# Altium PCB HYDRA_V4_POWER.PcbDoc (part 2 of 2) (continued)
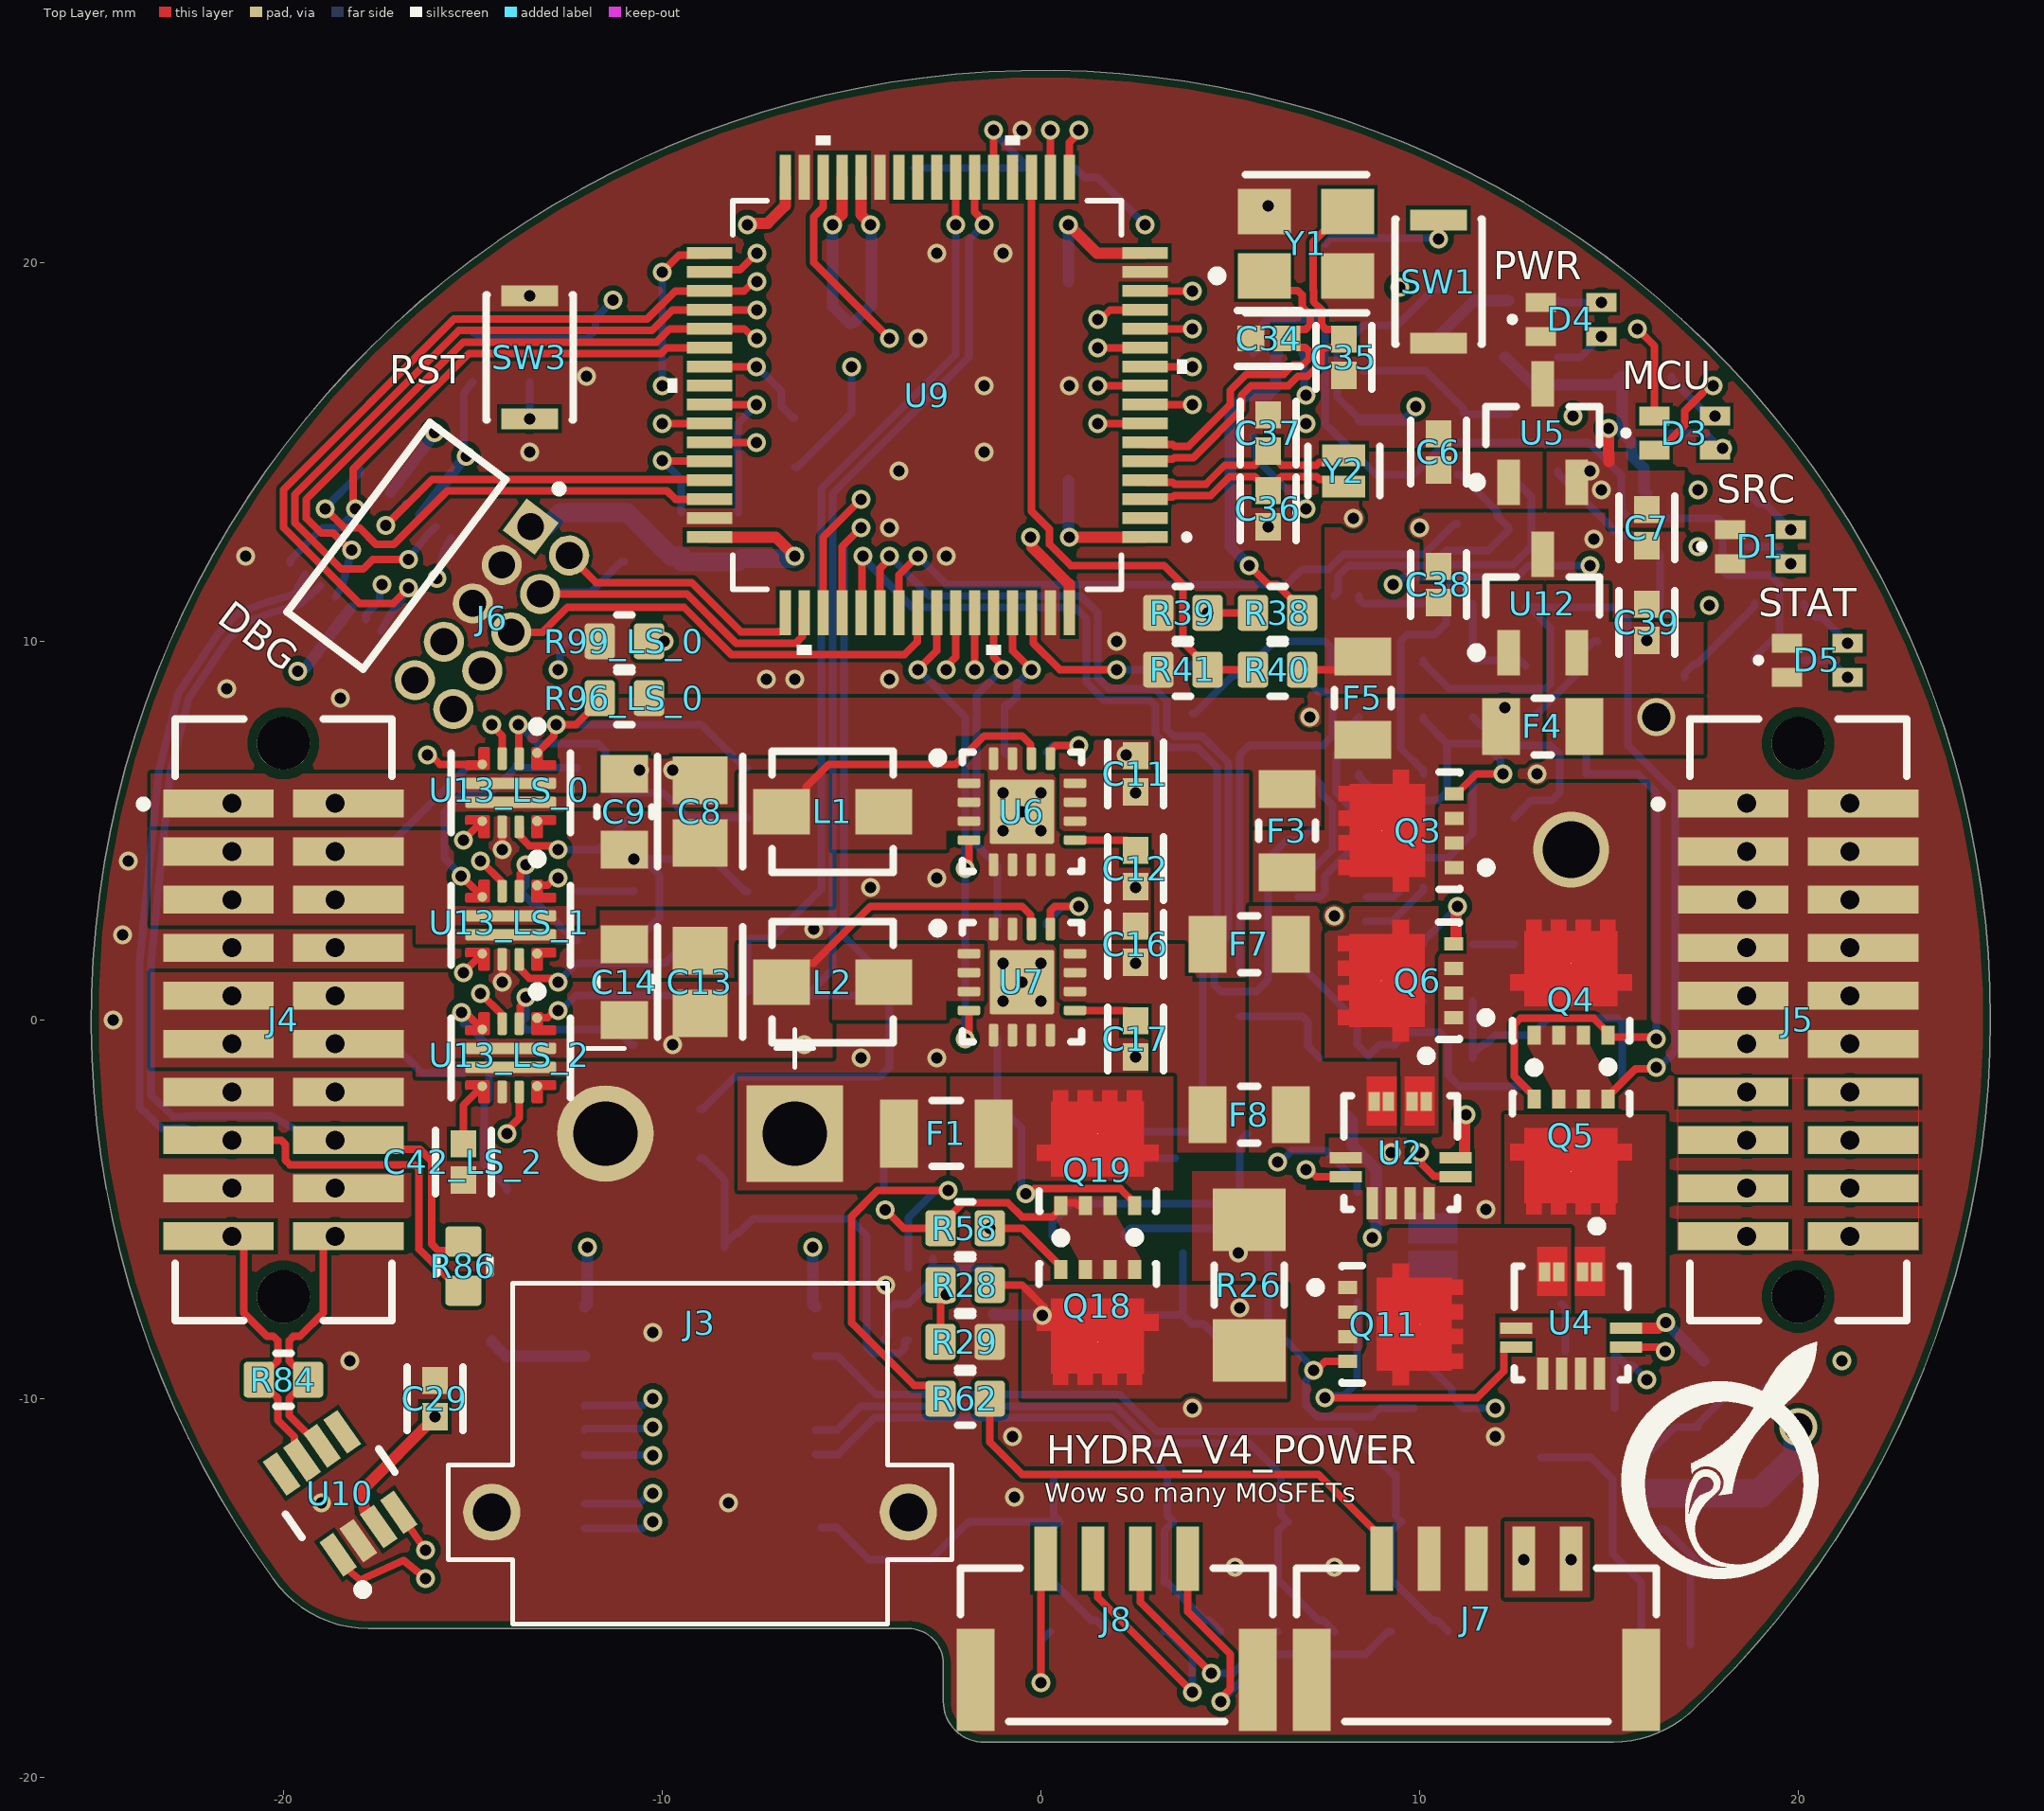
[diagram p0: Top Layer view]
## Nets (pads, with @x,y where several pads share a name; then routed paths per layer and width w, separated by ;. In a path a pad name is that pad's centre, name@x,y a point inside that pad or via, vN(x,y) a via of type N, cw(c..) or ccw(c..) an arc to the next point about the centre after c; other vN are vias at no path point) (continued)
NetQ9_6: Q9.6 R11.2 | length 10.4
  Bottom Layer w0.2: R11.2@5.25,1.4 5.25,7 5.5,7.25 7.452,7.25 7.702,7.5 7.702,8.5 7.525,8.677 7.317,8.677 7.2,8.794 7.2,9.2 Q9.6@7.1,9.3
NetQ10_2: Q10.2 R12.1 R15.2 | length 6.3
  Bottom Layer w0.2: Q10.2@6.8,3.25 7.383,3.25 7.5,3.367 7.5,3.8 8.13,4.43 8.13,4.73 R12.1@8.4,5 8.179,5.221 8.179,5.62 7.798,6 7.798,7.048 8.1,7.35 8.1,7.7 R15.2@8.4,8
NetQ10_3: Q10.3 R18.2 | length 3.4
  Bottom Layer w0.2: Q10.3@6.8,3.9 6.9,4 7.202,4 7.702,4.5 7.702,5.67 7.4,5.972 7.4,6.2 R18.2@7.1,6.5
NetQ10_5: Q10.5 R21.1 R22.2 | length 5.4
  Bottom Layer w0.2: Q10.5@8.597,3.25 9.331,3.25 9.448,3.367 9.448,3.95 9.786,4.287 10.762,4.287 11.4,4.925 R22.2@11.4,5 R21.1@11.4,6.5
NetQ10_6: Q10.6 R9.2 | length 1.9
  Bottom Layer w0.2: Q10.6@8.581,2.6 8.589,2.608 9.283,2.608 10.1,3.425 R9.2@10.1,3.5
NetQ12_1: Q12.1 R33.1 R35.2 | length 3.1
  Bottom Layer w0.2: R33.1@0.5,-3.65 R35.2@2,-3.65 Q12.1@3.55,-3.65
NetQ13_1: Q13.1 R36.1 R37.1 | length 4.4
  Bottom Layer w0.2: R37.1@8.5,17.15 10.15,17.15 11.15,16.15 Q13.1@11.15,16.05 11.2,16 R36.1@12.35,16
NetQ13_3: Q13.3 R34.2 | length 2.3
  Bottom Layer w0.3: Q13.3@10.5,17.95 10.5,18.05 11.45,19 R34.2@12.35,19
NetQ14_1: Q14.1 R75.1 R76.1 | length 5
  Bottom Layer w0.2: R75.1@13.65,14.5 13.65,14.425 15.28,12.795 15.855,12.795 16.35,12.3 Q14.1@16.35,10.95
NetQ14_3: Q14.3 R70.2 | length 2.8
  Bottom Layer w0.2: Q14.3@17,9.05 17,9.15 17.25,9.4 17.325,9.4 18.85,10.925 R70.2@18.85,11
NetQ15_1: Q15.1 R47.1 R49.1 | length 5
  Bottom Layer w0.2: Q15.1@16,-11.5 16.75,-10.75 R49.1@17.35,-10.75 17.35,-10.675 18.128,-9.897 18.953,-9.897 19.475,-9.375 19.55,-9.375 19.85,-9.075 R47.1@19.85,-9
NetQ15_3: Q15.3 R43.1 R46.1 | length 4.4
  Bottom Layer w0.2: Q15.3@15.8,-13.45 15.808,-13.458 16.483,-13.458 17.425,-14.4 R43.1@17.5,-14.4 17.45,-14.4 17.15,-14.7 R46.1@17.15,-16.5
NetQ15_6: Q15.6 R46.2 | length 6.8
  Bottom Layer w0.2: Q15.6@13.2,-11.55 14.52,-11.55 15.098,-12.129 15.098,-14.098 15.85,-14.85 R46.2@15.85,-16.5
NetQ16_2: Q16.2 R56.1 R57.1 | length 11.2
  Bottom Layer w0.2: R56.1@-9,-3.65 -8.925,-3.65 -8.35,-4.225 R57.1@-8.35,-5.925 ; R57.1@-8.35,-6 R57.1@-8.35,-5.925 ; Q16.2@-3.5,-8.45 -3.55,-8.45 -3.6,-8.5 -3.6,-8.668 -3.734,-8.802 -4.434,-8.802 -4.6,-8.635 -4.6,-5.7 -5.05,-5.25 -7.6,-5.25 -7.975,-5.625 -8.05,-5.625 R57.1@-8.35,-5.925
NetQ16_5: Q16.5 R61.2 R62.1 | length 11.6
  Top Layer w0.2: R62.1@-2.65,-10 -2.65,-9.95 -2.95,-9.65 -3.35,-9.65 -5,-8 -5,-5.191 -4.309,-4.5 v1(-2.45,-4.5)
  Bottom Layer w0.2: Q16.5@-3.5,-6.55 -3.5,-5.225 -2.85,-4.575 R61.2@-2.85,-4.5 v1(-2.45,-4.5)
NetR12_2: R12.2 U9.54 | length 26.5
  Top Layer w0.2: U9.54@-4.25,10.75 -4.25,11.919 -4,12.169 v1(-4,12.25)
  Bottom Layer w0.2: v1(-4,12.25) -2.948,11.198 1.052,11.198 1.5,10.75 1.5,9.043 1.793,8.75 3,8.75 3.323,8.427 3.323,7.675 3.5,7.498 4.252,7.498 4.948,6.802 4.948,2.222 4.573,1.847 4.573,0.927 4.75,0.75 5.702,0.75 5.927,0.975 5.927,1 6,1.073 6,4.25 6.5,4.75 6.85,4.75 R12.2@7.1,5
NetR17_2: R17.2 U9.55 | length 16.9
  Top Layer w0.2: U9.55@-3.75,10.75 -3.75,11.75 v1(-3.25,12.25)
  Bottom Layer w0.2: v1(-3.25,12.25) -2.5,11.5 6.5,11.5 6.9,11.9 7.598,11.9 8,12.302 10.127,12.302 10.925,13.1 R17.2@11,13.1
NetR24_1: R24.1 R31.2 U9.21 | length 5.6
  Top Layer w0.2: U9.21@-1.25,22.25 v1(-1.25,23.5)
  Bottom Layer w0.2: R31.2@-3.35,22.5 R24.1@-0.4,22.5 -0.4,22.575 -1.25,23.425 v1(-1.25,23.5)
NetR38_1: R38.1 R39.2 U9.8 | length 8.1
  Top Layer w0.2: U9.8@2.75,16.25 v1(3.998,16.25) ; v1(4.4,10.75) R38.1@5.6,10.75
  PWR+SIG w0.2: v1(3.998,16.25) 3.998,16.181 4.197,15.983 4.197,11.743 4.4,11.54 v1(4.4,10.75)
NetR40_1: R40.1 R41.2 U9.19 | length 17.6
  Top Layer w0.2: U9.19@-0.25,22.25 -0.25,13.436 0.229,12.957 0.229,12.564 0.793,12 3.25,12 3.75,11.5 3.75,9.975 4.4,9.325 R41.2@4.4,9.25 R40.1@5.6,9.25
NetR42_1: R42.1 R45.2 U9.23 | length 24.1
  Top Layer w0.2: v1(-2.25,21) U9.23@-2.25,22.25
  Bottom Layer w0.2: R45.2@-7.75,0.75 R42.1@-7.75,2.1 -7.692,2.158 -7.092,2.158 -5.802,3.448 -5.802,14.025 -2.25,17.577 v1(-2.25,21)
NetR47_2: R47.2 U9.51 | length 53.3
  Top Layer w0.2: U9.51@-5.75,10.75 -5.75,12.75 v1(-4.75,13.75)
  GND+SIG w0.2: v1(-4.75,13.75) -5.25,13.25 -5.25,9.5 -4.25,8.5 1.957,8.5 2.354,8.896 11.16,8.896 11.581,8.475 11.581,3.986 13.017,2.55 21.965,2.55 22.5,2.015 22.5,-7.65 v1(21.15,-9)
NetR48_1: R48.1 R51.2 U9.22 | length 25.2
  Top Layer w0.2: U9.22@-1.75,22.25 -1.75,21.331 -1.5,21.081 v1(-1.5,21)
  Bottom Layer w0.2: R51.2@-4.75,0.65 R48.1@-6.25,0.65 -6.175,0.65 -5.5,1.325 -5.5,13.9 -1.9,17.5 -1.9,20.6 v1(-1.5,21)
NetR52_1: R52.1 U6.13 | length 1.9
  Top Layer w0.2: U6.13@0.25,6.9 0.275,6.925 0.275,7.133 0.392,7.25 v1(1,7.25)
  Bottom Layer w0.2: R52.1@0.15,7.075 0.325,7.25 v1(1,7.25)
NetR53_1: R53.1 U7.13 | length 2.4
  Top Layer w0.2: U7.13@0.25,2.4 0.25,2.883 0.367,3 v1(1,3)
  Bottom Layer w0.2: R53.1@0.15,2.5 0.15,2.575 0.575,3 v1(1,3)
NetR54_1: R54.1 R55.2 U9.10 | length 37.2
  Top Layer w0.2: U9.10@2.75,17.25 v1(3.998,17.25)
  PWR+SIG w0.2: v1(3.998,17.25) 3.498,16.75 3.498,16.028 3.895,15.631 3.895,6.591 3.905,6.582 3.905,0.695 13.66,-9.06 15.56,-9.06 v1(16,-9.5)
  Bottom Layer w0.2: R55.2@15.15,-10.25 R54.1@15.15,-8.75 15.15,-8.82 15.45,-9.12 15.62,-9.12 v1(16,-9.5)
NetR69_2: R69.2 U8.4 | length 23.2
  Bottom Layer w0.2: U8.4@5.6,17.6 5.7,17.7 5.7,18.2 6,18.5 7.25,18.5 7.5,18.25 7.5,16.646 7.517,16.629 7.517,15.732 8.848,14.4 9.85,14.4 10.7,15.25 14.465,15.25 15.323,14.392 15.323,13.475 15.548,13.25 17.883,13.25 18,13.133 18,11.867 18.117,11.75 19.25,11.75 19.5,11.5 19.5,10.225 18.85,9.575 R69.2@18.85,9.5
NetR89_2: R89.2 U11.9 | length 35.7
  GND+SIG w0.2: v1(-17.4,11.5) -17.4,12.241 -16.7,12.941 -16.7,15.7 -16.2,16.2 -15.527,16.2 -9.827,21.9 -9.427,22.3 2.3,22.3 5,19.6 9.205,19.6 9.455,19.35 v1(9.472,19.35)
  Bottom Layer w0.2: U11.9@-17.828,10.568 -17.828,10.697 -17.457,11.068 -17.457,11.443 v1(-17.4,11.5)
NetR93_2: R93.2 SW3.1 | length 1
  Bottom Layer w0.2: v1(-13.5,15.875) R93.2@-13.5,16.85
NetR96_LS_0_1: R96_LS_0.1 R98_LS_0.2 U13_LS_0.1 | length 8.1
  Top Layer w0.2: U13_LS_0.1@-13.3,7.05 -12.857,7.493 -12.857,7.743 v1(-12.8,7.8) -12.275,7.8 -11.585,8.49 R96_LS_0.1@-11.585,8.565
  Bottom Layer w0.2: v1(-12.8,7.8) -8.975,7.8 -7.825,6.65 R98_LS_0.2@-7.75,6.65
NetR96_LS_1_1: R96_LS_1.1 R98_LS_1.2 U13_LS_1.1 | length 2.1
  Top Layer w0.2: U13_LS_1.1@-13.3,3.55 -13.287,3.563 -13.018,3.563 -12.831,3.75 v1(-12.75,3.75)
  Bottom Layer w0.2: R98_LS_1.2@-12.25,3.4 R96_LS_1.1@-10.75,3.4
NetR96_LS_2_1: R96_LS_2.1 R98_LS_2.2 U13_LS_2.1 | length 4.3
  Top Layer w0.2: U13_LS_2.1@-13.3,0.05 -13.287,0.063 -13.018,0.063 -12.831,0.25 v1(-12.75,0.25)
  Bottom Layer w0.2: v1(-12.75,0.25) -12.669,0.25 -12.269,0.65 R96_LS_2.1@-9.25,0.65
NetR97_LS_0_1: R97_LS_0.1 R99_LS_0.2 U13_LS_0.4 | length 9.1
  Top Layer w0.2: v1(-16.2,7) -16.119,7 -15.869,6.75 U13_LS_0.4@-14.75,6.75
  PWR+SIG w0.2: v1(-16.2,7) -12.893,7 -10.407,9.485 -10.407,9.538 -9.95,9.996 v1(-9.95,10)
NetR97_LS_1_1: R97_LS_1.1 R99_LS_1.2 U13_LS_1.4 | length 6.7
  Top Layer w0.2: v1(-15.308,3.794) -15.308,3.719 -15.247,3.659 -15.159,3.659 U13_LS_1.4@-14.75,3.25
  Bottom Layer w0.2: v1(-15.308,3.794) -15.308,3.828 -15.75,4.271 -15.75,5.5 -15.25,6 -14.525,6 R97_LS_1.1@-13.85,6.675 ; R97_LS_1.1@-13.85,6.75 -13.762,6.662 -12.263,6.662 R99_LS_1.2@-12.25,6.65
NetR97_LS_2_1: R97_LS_2.1 R99_LS_2.2 U13_LS_2.4 | length 5.8
  Top Layer w0.2: v1(-15.3,0.2) -15.208,0.108 -15.108,0.108 U13_LS_2.4@-14.75,-0.25
  Bottom Layer w0.2: R97_LS_2.1@-15.25,-0.1 -15.175,-0.1 -14.573,-0.702 -14.573,-2.085 -14.702,-2.213 -14.702,-3.823 -14.1,-4.425 R99_LS_2.2@-14.1,-4.5
NetR98_LS_0_1: R98_LS_0.1 R100_LS_0.2 U13_LS_0.2 | length 8.5
  Top Layer w0.2: v1(-13.8,7.8) -13.787,7.787 -13.787,6.913 U13_LS_0.2@-13.775,6.9
  Bottom Layer w0.2: v1(-13.8,7.8) -13.427,7.427 -13.425,7.427 -13.298,7.3 -11.7,7.3 -11.5,7.1 -11.5,6.2 -11.3,6 -9.975,6 -9.325,5.35 R100_LS_0.2@-9.25,5.35 R98_LS_0.1@-7.75,5.35
NetR98_LS_1_1: R98_LS_1.1 R100_LS_1.2 U13_LS_1.2 | length 3.6
  Top Layer w0.2: U13_LS_1.2@-13.775,3.4 -13.75,3.425 -13.75,3.859 -13.6,4.009 v1(-13.6,4.09)
  Bottom Layer w0.2: v1(-13.6,4.09) -13.6,3.55 R100_LS_1.2@-13.75,3.4 -13.45,3.1 -13.325,3.1 -12.325,2.1 R98_LS_1.1@-12.25,2.1
NetR98_LS_2_1: R98_LS_2.1 R100_LS_2.2 U13_LS_2.2 | length 4.7
  Top Layer w0.2: U13_LS_2.2@-13.775,-0.1 -13.75,-0.075 -13.75,0.359 -13.6,0.509 v1(-13.6,0.59)
  Bottom Layer w0.2: v1(-13.6,0.59) -13.6,0.05 R100_LS_2.2@-13.75,-0.1 -13.6,-0.25 -11.225,-0.25 -10.825,-0.65 R98_LS_2.1@-10.75,-0.65
NetU1_11: U1.11 U9.9 | length 26.6
  Top Layer w0.2: v1(1.5,16.75) U9.9@2.75,16.75
  PWR+SIG w0.2: v1(1.5,16.75) 1.5,16.673 2.99,15.183 2.99,6.217 3,6.207 3,1.293 2.995,1.288 2.995,0.255 6.25,-3 v1(6.25,-3.75)
  Bottom Layer w0.2: v1(6.25,-3.75) 6.331,-3.75 6.621,-3.46 7.537,-3.46 8.352,-4.275 U1.11@8.352,-4.55
NetU4_11: U4.11 U9.12 | length 38.6
  Top Layer w0.2: U9.12@2.75,18.25 v1(4,18.25) ; U4.11@15.45,-8.648 16.317,-8.648 16.427,-8.759 v1(16.491,-8.759)
  PWR+SIG w0.2: v1(4,18.25) 4.05,18.2 4.352,18.2 4.8,17.752 4.8,11.993 5.202,11.591 5.202,10.402 4.5,9.7 4.5,6.84 4.508,6.832 4.508,0.945 8.453,-3 10.207,-3 10.4,-3.193 10.4,-3.2 10.5,-3.3 10.5,-3.707 9.7,-4.507 9.7,-4.673 13.785,-8.759 v1(16.491,-8.759)
NetU9_2: U9.2
NetU9_20: U9.20
NetU9_24: U9.24
NetU9_25: U9.25
NetU9_26: U9.26
NetU9_30: U9.30 U14.11 | length 41.5
  Top Layer w0.2: U9.30@-5.75,22.25 -5.75,21.457 -6,21.207 -6,20 v1(-4,18)
  PWR+SIG w0.2: v1(-10.25,-13.25) -8,-11 -8,-9.1 -7.998,-9.098 -7.998,12.275 -5.8,14.473 -5.8,17.3 -5.1,18 v1(-4,18)
  Bottom Layer w0.2: U14.11@-12.05,-13.425 -10.506,-13.425 -10.331,-13.25 v1(-10.25,-13.25)
NetU9_34: U9.34 U14.12 | length 38.4
  Top Layer w0.2: U9.34@-8.75,19.75 -8.698,19.802 -7.948,19.802 v1(-7.5,20.25)
  PWR+SIG w0.2: v1(-10.25,-12.5) -8.302,-10.552 -8.302,-8.975 -8.3,-8.973 -8.3,12.4 -6.102,14.598 -6.102,18.852 v1(-7.5,20.25)
  Bottom Layer w0.2: U14.12@-12.05,-12.775 -10.606,-12.775 -10.331,-12.5 v1(-10.25,-12.5)
NetU9_38: U9.38 U11.14 | length 14.2
  Top Layer w0.2: v1(-18.1,13.5) -18.157,13.557 -18.157,13.95 -18.158,14.542 -15.1,17.6 -10.02,17.6 -9.87,17.75 U9.38@-8.75,17.75
  Bottom Layer w0.2: U11.14@-19.825,12.073 -19.825,12.14 -18.964,13 -18.519,13 -18.1,13.419 v1(-18.1,13.5)
NetU9_40: U9.40
NetU9_45: U9.45 U11.4 | length 9.9
  Top Layer w0.2: v1(-17.295,13.057) -16.077,14.274 -8.774,14.274 U9.45@-8.75,14.25
  Bottom Layer w0.2: v1(-17.295,13.057) -17.288,13.057 -16.769,13.575 U11.4@-16.769,13.635
NetU9_46: U9.46 U11.1 | length 12.6
  Top Layer w0.2: v1(-18.897,13.5) -18.897,13.497 -18.4,13 -18,13 -17.557,12.557 -17.088,12.557 -15.672,13.973 -13.965,13.973 -9.873,13.973 -9.65,13.75 U9.46@-8.75,13.75
  Bottom Layer w0.2: v1(-18.897,13.5) -18.897,13.521 -17.968,14.45 U11.1@-17.968,14.538
NetU9_58: U9.58 U10.4 | length 36.5
  Top Layer w0.2: U10.4@-16.956,-13.006 -16.691,-13.37 v1(-16.25,-14) ; v1(-2.5,9.25) -2.5,9.331 -2.25,9.581 U9.58@-2.25,10.75
  PWR+SIG w0.2: v1(-16.25,-14) -16.248,-13.998 -8.098,-13.998 -3.6,-9.5 -3.6,7.9 -2.557,8.943 -2.557,9.193 v1(-2.5,9.25)
NetU9_59: U9.59 U10.1 | length 39.1
  Top Layer w0.2: U10.1@-18.553,-14.124 -18.533,-14.331 -17.973,-14.793 -16.826,-14.276 v1(-16.25,-14.75) ; v1(-1.75,9.25) U9.59@-1.75,10.75
  PWR+SIG w0.2: v1(-16.25,-14.75) -15.8,-14.3 -7.9,-14.3 -3.298,-9.698 -3.298,7.702 v1(-1.75,9.25)
NetU10_5: U10.5
NetU10_8: U10.8
NetU14_13: U14.13
NetU14_17: U14.17
nINHIBIT: J7.1 R62.2 | length 13.1
  Top Layer w0.2: R62.2@-1.35,-10 -1.35,-11.15 -0.5,-12 7.325,-12 8.8,-13.475 9,-13.675 J7.1@9,-14.225
OC_PROT_PWR_IN: C5.1 Q18.5-6-7-8 R26.1 R27.2 R28.2 U3.6 | length 3.4
  Top Layer w0.2: R28.2@-1.35,-7 -0.5,-7 0.085,-7.585 v1@0.085,-7.775
  Bottom Layer w0.3: C5.1@-1.25,-7.771 -1.235,-7.786 0.285,-7.786 U3.6@0.3,-7.8
  other v1: 0.035,-7.8 5.25,-7.6
POST_SHUNT: Q11.1 Q11.2 Q11.3 R25.1 R26.2 U3.3 | length 3.4
  Bottom Layer w0.2: U3.3@2.2,-5.7 2.2,-5.652 2.352,-5.5 4.525,-5.5 5.175,-6.15 R25.1@5.25,-6.15
  other v1: 5.213,-6.15
PRE_PWR_OUT: Q11.5-6-7-8 U4.3 U4.4
PRE_SFTY_MOS: Q16.3 Q16.6 R60.2 | length 4.6
  Bottom Layer w0.2: Q16.3@-4.15,-8.45 -4.05,-8.35 -4.05,-7.7 -3.85,-7.5 -3.5,-7.5 -2.95,-6.95 -2.95,-6.6 -2.885,-6.535 -2.85,-6.535 Q16.6@-2.85,-6.3 ; Q16.6@-2.9,-6.55 -1.35,-6.55 R60.2@-1.25,-6.65
PYRO_PWR: F2.2 J2.13 J2.14 J2.15 J2.16 J2.17 J2.18 J2.19 J2.20 J5.13 J5.14 J5.15 J5.16 J5.17 J5.18 J5.19 J5.20
  other v2: 18.635,-5.715 21.365,-5.715 18.635,-4.445 21.365,-4.445 18.635,-3.175 21.365,-3.175 18.635,-1.905 21.365,-1.905
RESETN: C41.1 J6.10 R93.1 R95.2 U9.7 | length 39.3
  Top Layer w0.2: v1(1.5,15.75) U9.7@2.75,15.75
  GND+SIG w0.2: J6.10@-15.514,8.207 -15.422,8.3 -14.637,8.3 -14.018,8.918 -14.018,9.168 -13.254,9.933 -13.254,10.183 -11.726,11.711 -11.726,12.251 cw(c-11.526,12.251) -11.725,12.257 -11.702,13.1 -11.702,16.298 -11.3,16.7 -11.3,19.4 -9.152,21.548 1.952,21.548 2.2,21.3 2.2,16.45 v1(1.5,15.75)
  Bottom Layer w0.2: R95.2@-15,18.15 -14.625,17.992 -12.236,17.992 C41.1@-12,17.979 -11.764,18.215 -11.764,18.536 -11.3,19 v1(-11.3,19.005)
SFTY_MOS: Q18.4 R58.2 R60.1 | length 2.4
  Top Layer w0.2: v1(-1.35,-5.5) -0.65,-5.5 -0.648,-5.502 -0.488,-5.502 0.525,-6.515 Q18.4@0.525,-6.59
SWCLK: J6.04 R83.1 U9.50 | length 10.9
  Top Layer w0.2: J6.04@-13.221,11.25 -9.35,11.25 -8.048,9.948 -6.471,9.948 -6.302,10.117 -6.302,10.829 U9.50@-6.25,10.882
  Bottom Layer w0.2: J6.04@-13.221,11.25 -13.176,11.295 -11.88,11.295 -11.075,12.1 R83.1@-11,12.1
SWDIO: J6.02 U9.49 | length 7
  Top Layer w0.2: J6.02@-12.457,12.264 -11.744,11.552 -9.225,11.552 -7.923,10.25 -6.92,10.25 -6.916,10.253 -6.802,10.253 -6.75,10.306 U9.49@-6.75,10.75
SWO: J6.06 U9.56 | length 12.4
  Top Layer w0.2: J6.06@-13.986,10.236 -13.164,10.236 -12.5,10.9 -9.427,10.9 -8.173,9.647 -3.603,9.647 -3.262,9.988 -3.262,10.738 U9.56@-3.25,10.75
TCAN1146_INH: R21.2 R36.2 U11.7 | length 56.6
  PWR+SIG w0.2: v1(-15.948,11.653) -15.948,13.448 -16.6,14.1 -16.6,16.8 -13.7,19.7 -11.1,19.7 -8.303,22.497 3.283,22.497 8.881,16.898 13.102,16.898 v1(14.05,15.95) 14,15.9 14,12.5 v1(14.5,12)
  Bottom Layer w0.2: v1(-15.948,11.653) -15.763,12.39 U11.7@-15.571,12.732 ; R21.2@10.1,6.5 10.1,6.575 9.498,7.177 9.498,10 9.675,10.177 10.4,10.177 10.702,10.478 10.702,11.403 10.997,11.698 12.576,11.698 12.878,12 v1(14.5,12)
TCAN1146_PWR: C31.1 Q2.5-6-7-8 Q3.1 Q3.2 Q3.3 Q4.5-6-7-8 Q6.1 Q6.2 Q6.3 Q13.2 R3.1 R5.1 R37.2 R88.2 U11.10 | length 79.5
  GND+SIG w0.3: v1(-19.618,9.212) -19.618,13.785 -13.703,19.7 -12.524,19.7 -9.572,22.652 2.548,22.652 5.2,20 9.603,20 10.025,19.578 10.025,19.125 9.9,19 v1(9.9,16.2) 12.677,16.2 12.977,16.5 15.7,16.5 17.9,14.3 17.9,14.018 19.003,12.915 19.003,10.235 18.2,9.432 18.2,8.7 v4(14,4.5)
  Bottom Layer w0.2: R37.2@8.425,15.85 7.823,16.452 7.823,17.646 8.526,18.348 9.423,18.348 R88.2@10.425,19.35 ; R5.1@11.4,2 12.5,2 ; R3.1@11.4,8 11.633,7.767 11.983,7.767 12.5,7.25 13.452,7.25 13.702,7 13.702,6 13.502,5.8 12.952,5.8 12.5,5.348
  Bottom Layer w0.3: v1(-19.618,9.212) -19.417,9.294 -18.433,10.6 U11.10@-18.227,10.869 ; R37.2@8.425,15.85 9.65,15.85 Q13.2@9.85,16.05 9.85,16.15 v1(9.9,16.2) ; R88.2@10.425,19.35 R88.2@10.5,19.35
V_SENSE: R28.1 R29.2 U9.11 | length 46
  Top Layer w0.2: R29.2@-2.65,-8.5 -2.65,-7.25 R28.1@-2.65,-7 -2.5,-7.15 v1(-2.5,-7.25) ; v1(1.5,17.75) U9.11@2.75,17.75
  PWR+SIG w0.2: v1(-2.5,-7.25) 1,-10.75 7.45,-10.75 8.202,-9.998 8.202,-4.455 3.302,0.445 3.302,6.332 3.292,6.342 3.292,15.308 2.004,16.596 2.004,17.246 v1(1.5,17.75)
VDDA: C23.1 C24.1 C27.1 C28.1 FB1.2 U9.28 U9.29 | length 8.4
  Top Layer w0.3: v1(-5.5,21) -5.5,21.018 -5.25,21.268 U9.29@-5.25,22.25 ; U9.28@-4.75,22.25 -4.75,21.268 -4.5,21.018 v1(-4.5,21)
  Bottom Layer w0.3: v1(-5.5,21) -5.5,18.85 -5.05,18.4 FB1.2@-5,18.4 -4.95,18.45 -4.9,18.45 -4.479,18.871 -4.479,20.979 v1(-4.5,21)
X32_N: C37.1 U9.4 Y2.2 | length 5.9
  Top Layer w0.2: U9.4@2.75,14.25 2.802,14.198 3.476,14.198 3.523,14.151 4.361,14.151 4.861,14.651 5.651,14.651 C37.1@6,15 ; C37.1@6,15.021 C37.1@6,15 ; Y2.2@8,14.913 7.812,14.725 7.356,14.725 7.282,14.651 6.349,14.651 C37.1@6,15
X32_P: C36.1 U9.3 Y2.1 | length 5.9
  Top Layer w0.2: U9.3@2.75,13.75 2.802,13.802 3.476,13.802 3.523,13.849 4.486,13.849 4.986,14.349 5.651,14.349 C36.1@6,14 ; C36.1@6,13.979 C36.1@6,14 ; Y2.1@8,14.088 7.812,14.275 7.356,14.275 7.282,14.349 6.349,14.349 C36.1@6,14
X_N: C34.1 U9.6 Y1.1 | length 9.3
  Top Layer w0.2: U9.6@2.75,15.25 2.802,15.198 3.476,15.198 3.523,15.151 3.901,15.151 5,16.25 5,16.625 5.427,17.052 6.418,17.052 6.668,17.302 6.92,17.302 7.095,17.477 7.095,17.647 6.978,17.764 6.736,17.764 C34.1@6.5,18 6.736,18.236 6.993,18.236 7.11,18.353 7.11,18.628 6.897,18.842 6.897,19.147 6.78,19.264 6.286,19.264 Y1.1@5.9,19.65
X_P: C35.1 U9.5 Y1.3 | length 11.3
  Top Layer w0.2: U9.5@2.75,14.75 2.802,14.802 3.476,14.802 3.523,14.849 4.026,14.849 5.302,16.125 5.302,16.5 5.552,16.75 6.543,16.75 6.793,17 7.045,17 7.396,17.352 7.396,17.647 7.514,17.764 7.785,17.764 C35.1@8,17.979 8,18 7.764,18.236 7.529,18.236 7.412,18.353 7.412,18.753 7.198,18.966 7.198,19.272 7.193,19.277 7.193,20.543 8,21.35 Y1.3@8.1,21.35
pads on no net: J1. J2. J4. J5. J6.07 J6.08 J6.09 U6.17@-0.5,5.5 U7.17@-0.5,1 U13_LS_0.10 U13_LS_1.10 U13_LS_2.10

## Polygon pours and split planes (outlines as drawn)
GND on Bottom Layer "GND_L04_P116" (solid, remove dead copper, pour order 116): -17.751,-16.075 -3.5,-16.075 -3.499,-16.075 cw(c-3.5,-17) -2.575,-17 -2.575,-18 ccw(c-1.5,-18) -1.5,-19.075 15.1,-19.075 15.115,-19.073 ccw(c15.1,-16) 17.09,-18.342 17.114,-18.327 ccw(c0,0) 25.075,0 ccw(c0,0) -20.274,-14.756 -20.269,-14.764 ccw(c-17.75,-13)
EMAG_OUT on Bottom Layer "EMAG_OUT_L04_P037" (solid, remove dead copper, pour order 37): 12.25,-13 14.5,-13 14.5,-15.25 12.25,-15.25
HYDRA_VCC on Bottom Layer "HYDRA_VCC_L04_P101" (solid, remove dead copper, pour order 101): -23.175,6.085 -23.175,5.345 -16.825,5.345 -16.825,6.085
HYDRA_3V3 on Bottom Layer "HYDRA_3V3_L04_P099" (solid, remove dead copper, pour order 99): -23.175,1.005 -16.825,1.005 -16.825,-1.005 -23.175,-1.005
HYDRA_5V on Bottom Layer "HYDRA_5V_L04_P100" (solid, remove dead copper, pour order 100): -23.175,4.815 -16.825,4.815 -16.825,2.805 -23.175,2.805
PYRO_PWR on Bottom Layer "PYRO_PWR_L04_P096" (solid, remove dead copper, pour order 96): 14,-6 14.002,-5.998 15.75,-5.998 15.75,-1.25 23,-1.25 23,-6.5 19,-6.5 19,-8 14,-8
HYDRA_3V3 on Bottom Layer "HYDRA_3V3_L04_P038" (solid, remove dead copper, pour order 38): -22.475,1.005 -17.525,1.005 -17.525,-1.005 -22.475,-1.005
HYDRA_VCC on Bottom Layer "HYDRA_VCC_L04_P064" (solid, remove dead copper, pour order 64): -22.475,6.085 -22.475,5.345 -17.525,5.345 -17.525,6.085
HYDRA_5V on Bottom Layer "HYDRA_5V_L04_P039" (solid, remove dead copper, pour order 39): -22.475,4.815 -17.525,4.815 -17.525,2.805 -22.475,2.805
M2_PRE on Bottom Layer "M2_PRE_L04_P067" (solid, remove dead copper, pour order 67): 9.5,-6 9.5,-2.5 15.75,-2.5 15.75,-6
M2_PWR on Bottom Layer "M2_PWR_L04_P068" (solid, remove dead copper, pour order 68): 9.5,-6 9.5,-8 14,-8 14,-6
TCAN1146_PWR on Bottom Layer "TCAN1146_PWR_L04_P066" (solid, remove dead copper, pour order 66): 12,0 12,6 16,6 16,0
M2_VCC on Bottom Layer "M2_VCC_L04_P065" (solid, remove dead copper, pour order 65): 15.15,-0.66 14.5,-1.84 14.5,-2.34 12.85,-2.34 12.85,-1.84 13.5,-0.66 13.5,-0.16 15.15,-0.16
GND on GND+SIG "GND_L02_P118" (solid, remove dead copper, pour order 118): -17.751,-16.075 -3.5,-16.075 -3.499,-16.075 cw(c-3.5,-17) -2.575,-17 -2.575,-18 ccw(c-1.5,-18) -1.5,-19.075 15.1,-19.075 15.115,-19.073 ccw(c15.1,-16) 17.09,-18.342 17.114,-18.327 ccw(c0,0) 25.075,0 ccw(c0,0) -20.274,-14.756 -20.269,-14.764 ccw(c-17.75,-13)
PYRO_PWR on GND+SIG "PYRO_PWR_L02_P048" (solid, remove dead copper, pour order 48): 16.825,-1.535 23.175,-1.535 23.175,-6.085 16.825,-6.085
HYDRA_3V3 on GND+SIG "HYDRA_3V3_L02_P043" (solid, remove dead copper, pour order 43): -23.175,1.005 -16.825,1.005 -16.825,-1.005 -23.175,-1.005
HYDRA_VCC on GND+SIG "HYDRA_VCC_L02_P045" (solid, remove dead copper, pour order 45): -23.175,6.085 -23.175,5.345 -16.825,5.345 -16.825,6.085
HYDRA_5V on GND+SIG "HYDRA_5V_L02_P044" (solid, remove dead copper, pour order 44): -23.175,4.815 -16.825,4.815 -16.825,2.805 -23.175,2.805
GND on PWR+SIG "GND_L03_P117" (solid, remove dead copper, pour order 117): -17.751,-16.075 -3.5,-16.075 -3.499,-16.075 cw(c-3.5,-17) -2.575,-17 -2.575,-18 ccw(c-1.5,-18) -1.5,-19.075 15.1,-19.075 15.115,-19.073 ccw(c15.1,-16) 17.09,-18.342 17.114,-18.327 ccw(c0,0) 25.075,0 ccw(c0,0) -20.274,-14.756 -20.269,-14.764 ccw(c-17.75,-13)
HYDRA_3V3 on PWR+SIG "HYDRA_3V3_L03_P098" (solid, remove dead copper, pour order 98): -23.175,1.005 -16.825,1.005 -16.825,-1.005 -23.175,-1.005
NetR47_2 on PWR+SIG "NETR47_2_L03_P105" (solid, remove dead copper, pour order 105): 16.825,-1.535 23.175,-1.535 23.175,-6.085 16.825,-6.085
HYDRA_VCC on PWR+SIG "HYDRA_VCC_L03_P104" (solid, remove dead copper, pour order 104): -23.175,6.085 -23.175,5.345 -16.825,5.345 -16.825,6.085
HYDRA_5V on PWR+SIG "HYDRA_5V_L03_P103" (solid, remove dead copper, pour order 103): -23.175,4.815 -16.825,4.815 -16.825,2.805 -23.175,2.805
PYRO_PWR on PWR+SIG "PYRO_PWR_L03_P047" (solid, remove dead copper, pour order 47): 16.825,-1.535 23.175,-1.535 23.175,-6.085 16.825,-6.085
HYDRA_VCC on PWR+SIG "HYDRA_VCC_L03_P042" (solid, remove dead copper, pour order 42): -23.175,6.085 -23.175,5.345 -16.825,5.345 -16.825,6.085
HYDRA_3V3 on PWR+SIG "HYDRA_3V3_L03_P040" (solid, remove dead copper, pour order 40): -23.175,1.005 -16.825,1.005 -16.825,-1.005 -23.175,-1.005
HYDRA_5V on PWR+SIG "HYDRA_5V_L03_P041" (solid, remove dead copper, pour order 41): -23.175,4.815 -16.825,4.815 -16.825,2.805 -23.175,2.805
GND on Top Layer "GND_L01_P115" (solid, remove dead copper, pour order 115): -17.751,-16.075 -3.5,-16.075 -3.499,-16.075 cw(c-3.5,-17) -2.575,-17 -2.575,-18 ccw(c-1.5,-18) -1.5,-19.075 15.1,-19.075 15.115,-19.073 ccw(c15.1,-16) 17.09,-18.342 17.114,-18.327 ccw(c0,0) 25.075,0 ccw(c0,0) -20.274,-14.756 -20.269,-14.764 ccw(c-17.75,-13)
INT_PWR on Top Layer "INT_PWR_L01_P076" (solid, remove dead copper, pour order 76): 7.5,8.5 13.25,8.5 13.25,6.75 10.5,6.75 10.5,3 5.5,3 5.5,5 7.5,5
OC_PROT_PWR_IN on Top Layer "OC_PROT_PWR_IN_L01_P058" (solid, remove dead copper, pour order 58): -0.5,-7 6.5,-7 6.5,-10 -0.5,-10
NetF3_2 on Top Layer "NETF3_2_L01_P078" (solid, remove dead copper, pour order 78): 5.5,6.5 3,6.5 3,7.5 -2.25,7.5 -2.25,7 -11.5,7 -11.5,6 -15.5,6 -15.5,6.5 -12.75,6.5 -12.75,8.5 7.5,8.5 7.5,5 5.5,5
EMAG_OUT on Top Layer "EMAG_OUT_L01_P055" (solid, remove dead copper, pour order 55): 12.25,-13.25 14.5,-13.25 14.5,-15.25 12.25,-15.25
NetR47_2 on Top Layer "NETR47_2_L01_P110" (solid, remove dead copper, pour order 110): 16.825,-1.535 23.175,-1.535 23.175,-6.085 16.825,-6.085
NetF1_2 on Top Layer "NETF1_2_L01_P071" (solid, remove dead copper, pour order 71): 3.5,-1.5 3.5,-4.5 -2.5,-4.5 -2.5,-1.5
BATT_PWR on Top Layer "BATT_PWR_L01_P070" (solid, remove dead copper, pour order 70): -8,-1.5 -8,-4.5 -2.5,-4.5 -2.5,-1.5
NetC8_1 on Top Layer "NETC8_1_L01_P081" (solid, remove dead copper, pour order 81): -11.75,3 -11.75,2.5 -15.5,2.5 -15.5,3 -12.5,3 -12.5,5.5 -8,5.5 -8,6.5 -5.5,6.5 -5.5,3
HYDRA_3V3 on Top Layer "HYDRA_3V3_L01_P082" (solid, remove dead copper, pour order 82): -16.5,-1.25 -16.5,-1.5 -12.5,-1.5 -12.5,-1 -15.5,-1 -15.5,1.25 -23.5,1.25 -23.5,-1.25
HYDRA_5V on Top Layer "HYDRA_5V_L01_P083" (solid, remove dead copper, pour order 83): -16.5,2.5 -16.5,2 -12.5,2 -12.5,2.5 -15.5,2.5 -15.5,5 -23.5,5 -23.5,2.5
NetC6_1 on Top Layer "NETC6_1_L01_P087" (solid, remove dead copper, pour order 87): 10,11.5 13.25,11.5 13.25,8.5 7.5,8.5 7.5,13 8.5,13 8.5,15 13.25,15 13.25,13.5 10,13.5
TCAN1146_PWR on Top Layer "TCAN1146_PWR_L01_P062" (solid, remove dead copper, pour order 62): 10.5,6.25 10.5,-0.5 12.75,-0.5 12.75,0 16,0 16,6.25
POST_SHUNT on Top Layer "POST_SHUNT_L01_P059" (solid, remove dead copper, pour order 59): 4,-7 4,-4 7,-4 7,-4.5 8.5,-4.5 8.5,-8.75 6.5,-8.75 6.5,-7
PRE_PWR_OUT on Top Layer "PRE_PWR_OUT_L01_P060" (solid, remove dead copper, pour order 60): 8.5,-10 8.5,-5.5 14,-5.5 14,-7.75 12,-7.75 12,-10
INT_3V3 on Top Layer "INT_3V3_L01_P095" (solid, remove dead copper, pour order 95): 13.25,15 13.25,13.5 15,13.5 15,13 17,13 17,14.5 15.5,14.5 15.5,15
NetL2_1 on Top Layer "NETL2_1_L01_P075" (solid, remove dead copper, pour order 75): -5.5,2 -5.5,0 -2.5,0 -2.5,0.5 -1.5,0.5 -1.5,2
M3_PWR on Top Layer "M3_PWR_L01_P069" (solid, remove dead copper, pour order 69): 9.5,-1 7.5,-1 7.5,3 5.5,3 5.5,-3.5 7.5,-3.5 7.5,-3 9.5,-3
NetC13_1 on Top Layer "NETC13_1_L01_P080" (solid, remove dead copper, pour order 80): -15.5,-0.5 -12.5,-0.5 -12.5,1 -8,1 -8,2 -5.5,2 -5.5,-1 -12.5,-1 -15.5,-1
5V_INT on Top Layer "5V_INT_L01_P093" (solid, remove dead copper, pour order 93): 13.25,8.5 13.25,11.5 15,11.5 15,10.5 17.5,10.5 17.5,8.5
NetF4_1 on Top Layer "NETF4_1_L01_P086" (solid, remove dead copper, pour order 86): 13.25,7 13.25,8.5 17.5,8.5 17.5,7
NetL1_1 on Top Layer "NETL1_1_L01_P074" (solid, remove dead copper, pour order 74): -5.5,6.5 -5.5,4.5 -2.5,4.5 -2.5,5 -1.5,5 -1.5,6.5
HYDRA_VCC on Top Layer "HYDRA_VCC_L01_P085" (solid, remove dead copper, pour order 85): -23.5,5 -23.5,6.5 -15.5,6.5 -15.5,6 -12.5,6 -12.5,5.5 -15.5,5.5 -15.5,5
NetC10_1 on Top Layer "NETC10_1_L01_P073" (solid, remove dead copper, pour order 73): 0.5,4.5 3,4.5 3,1 5.5,1 5.5,6.5 0.5,6.5
NetC15_1 on Top Layer "NETC15_1_L01_P072" (solid, remove dead copper, pour order 72): 0.5,0 2,0 2,-1.5 3.5,-1.5 3.5,-3.5 5.5,-3.5 5.5,1 4,1 4,2 0.5,2
M1_PWR on Top Layer "M1_PWR_L01_P061" (solid, remove dead copper, pour order 61): 14,-7.75 16.5,-7.75 16.5,-2.5 12.25,-2.5 12.25,-5.5 14,-5.5
M3_PRE on Top Layer "M3_PRE_L01_P063" (solid, remove dead copper, pour order 63): 9.5,-3 9.5,-1 7.5,-1 7.5,3 10.5,3 10.5,-3
NetD2_1 on Top Layer "NETD2_1_L01_P057" (solid, remove dead copper, pour order 57): 0.35,-5.16 1,-6.34 1,-6.84 2.65,-6.84 2.65,-6.34 2,-5.16 2,-4.66 0.35,-4.66
M1_VCC on Top Layer "M1_VCC_L01_P056" (solid, remove dead copper, pour order 56): 12.85,-0.66 13.5,-1.84 13.5,-2.34 15.15,-2.34 15.15,-1.84 14.5,-0.66 14.5,-0.16 12.85,-0.16

## Silkscreen, mask and mechanical layers (free items; w line width, h text height)
Top Overlay:
  region: 980 vertices and 2 holes, not listed, extent 15.33,-14.765 20.53,-8.499
  text "PWR" at 11.95,19.55 h0.75
  text "RST" at -17.2,16.8 h0.75
  text "MCU" at 15.35,16.65 h0.75
  text "SRC" at 17.85,13.65 h0.75
  text "STAT" at 18.95,10.65 h0.75
  text "DBG" at -21.79,10.53 h0.75 r323
  text "HYDRA_V4_POWER" at 0.15,-11.725 h0.75
  text "Wow so many MOSFETs" at 0.1,-12.733 h0.5
Bottom Overlay:
  text "CELL" at 3.375,-18.1 h0.75
  text "EMAG/INH" at 14.312,-18.1 h0.75
Mechanical 1:
  circle w0.1: c0,0 r27
  lines w0.15: -20.207,-14.721 ccw(c-17.75,-13) -17.75,-16 -3.5,-16 cw(c-3.5,-17) -2.5,-17 -2.5,-18 ccw(c-1.5,-18) -1.5,-19 15.1,-18.999 ; -20.111,-14.851 cw(c0,0) 17.063,-18.272 ; 15.1,-18.998 ccw(c15.1,-16) 17.246,-18.094

## Text inside footprints (layer, text, board x,y; h text height)
U11: Bottom Overlay "*" at -17.766,15.101 h1.27 r53; Bottom 3D Body "*" at -17.741,13.675 h1.27 r53